# Altium PCB main.PcbDoc (part 1 of 3)
Units mil, origin at the board's own origin, x right, y up, seen from the top; angles counter-clockwise.
Board outline 4925 x 4925 mil, 2 copper layers (Top Layer, Bottom Layer); 278 components, 209 nets, 834 pads, 219 vias.
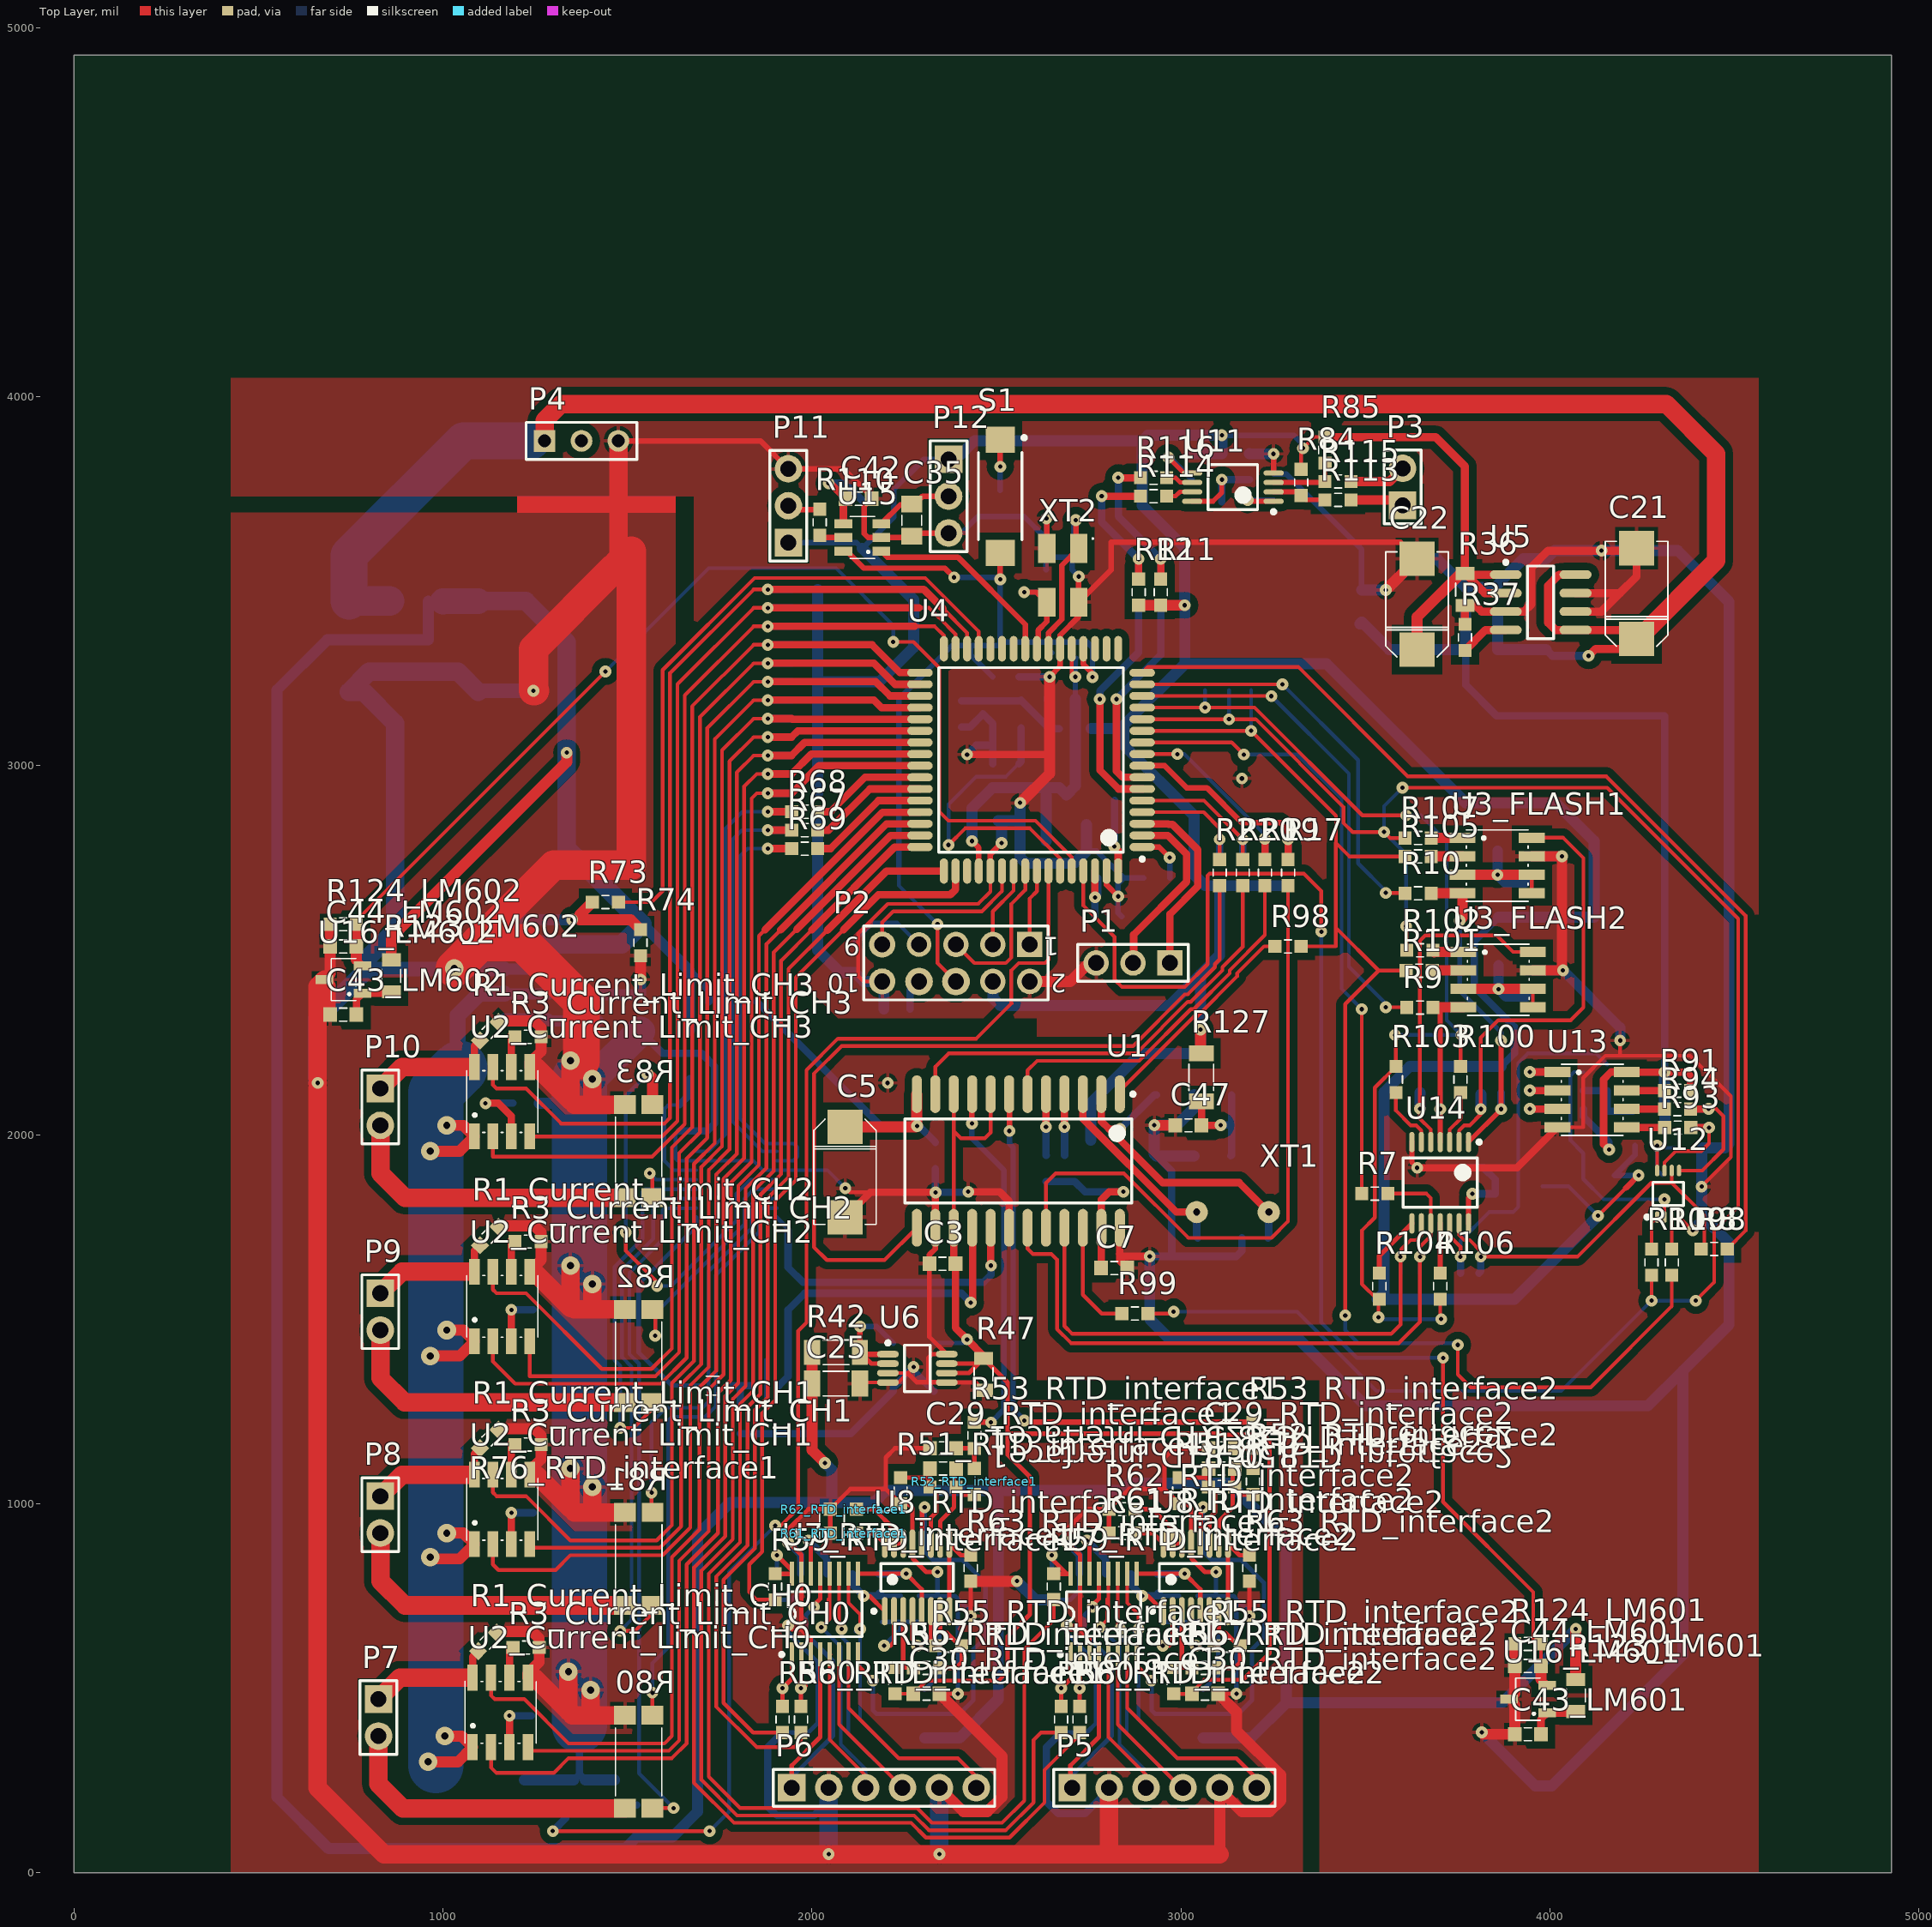
[diagram p0: Top Layer view]
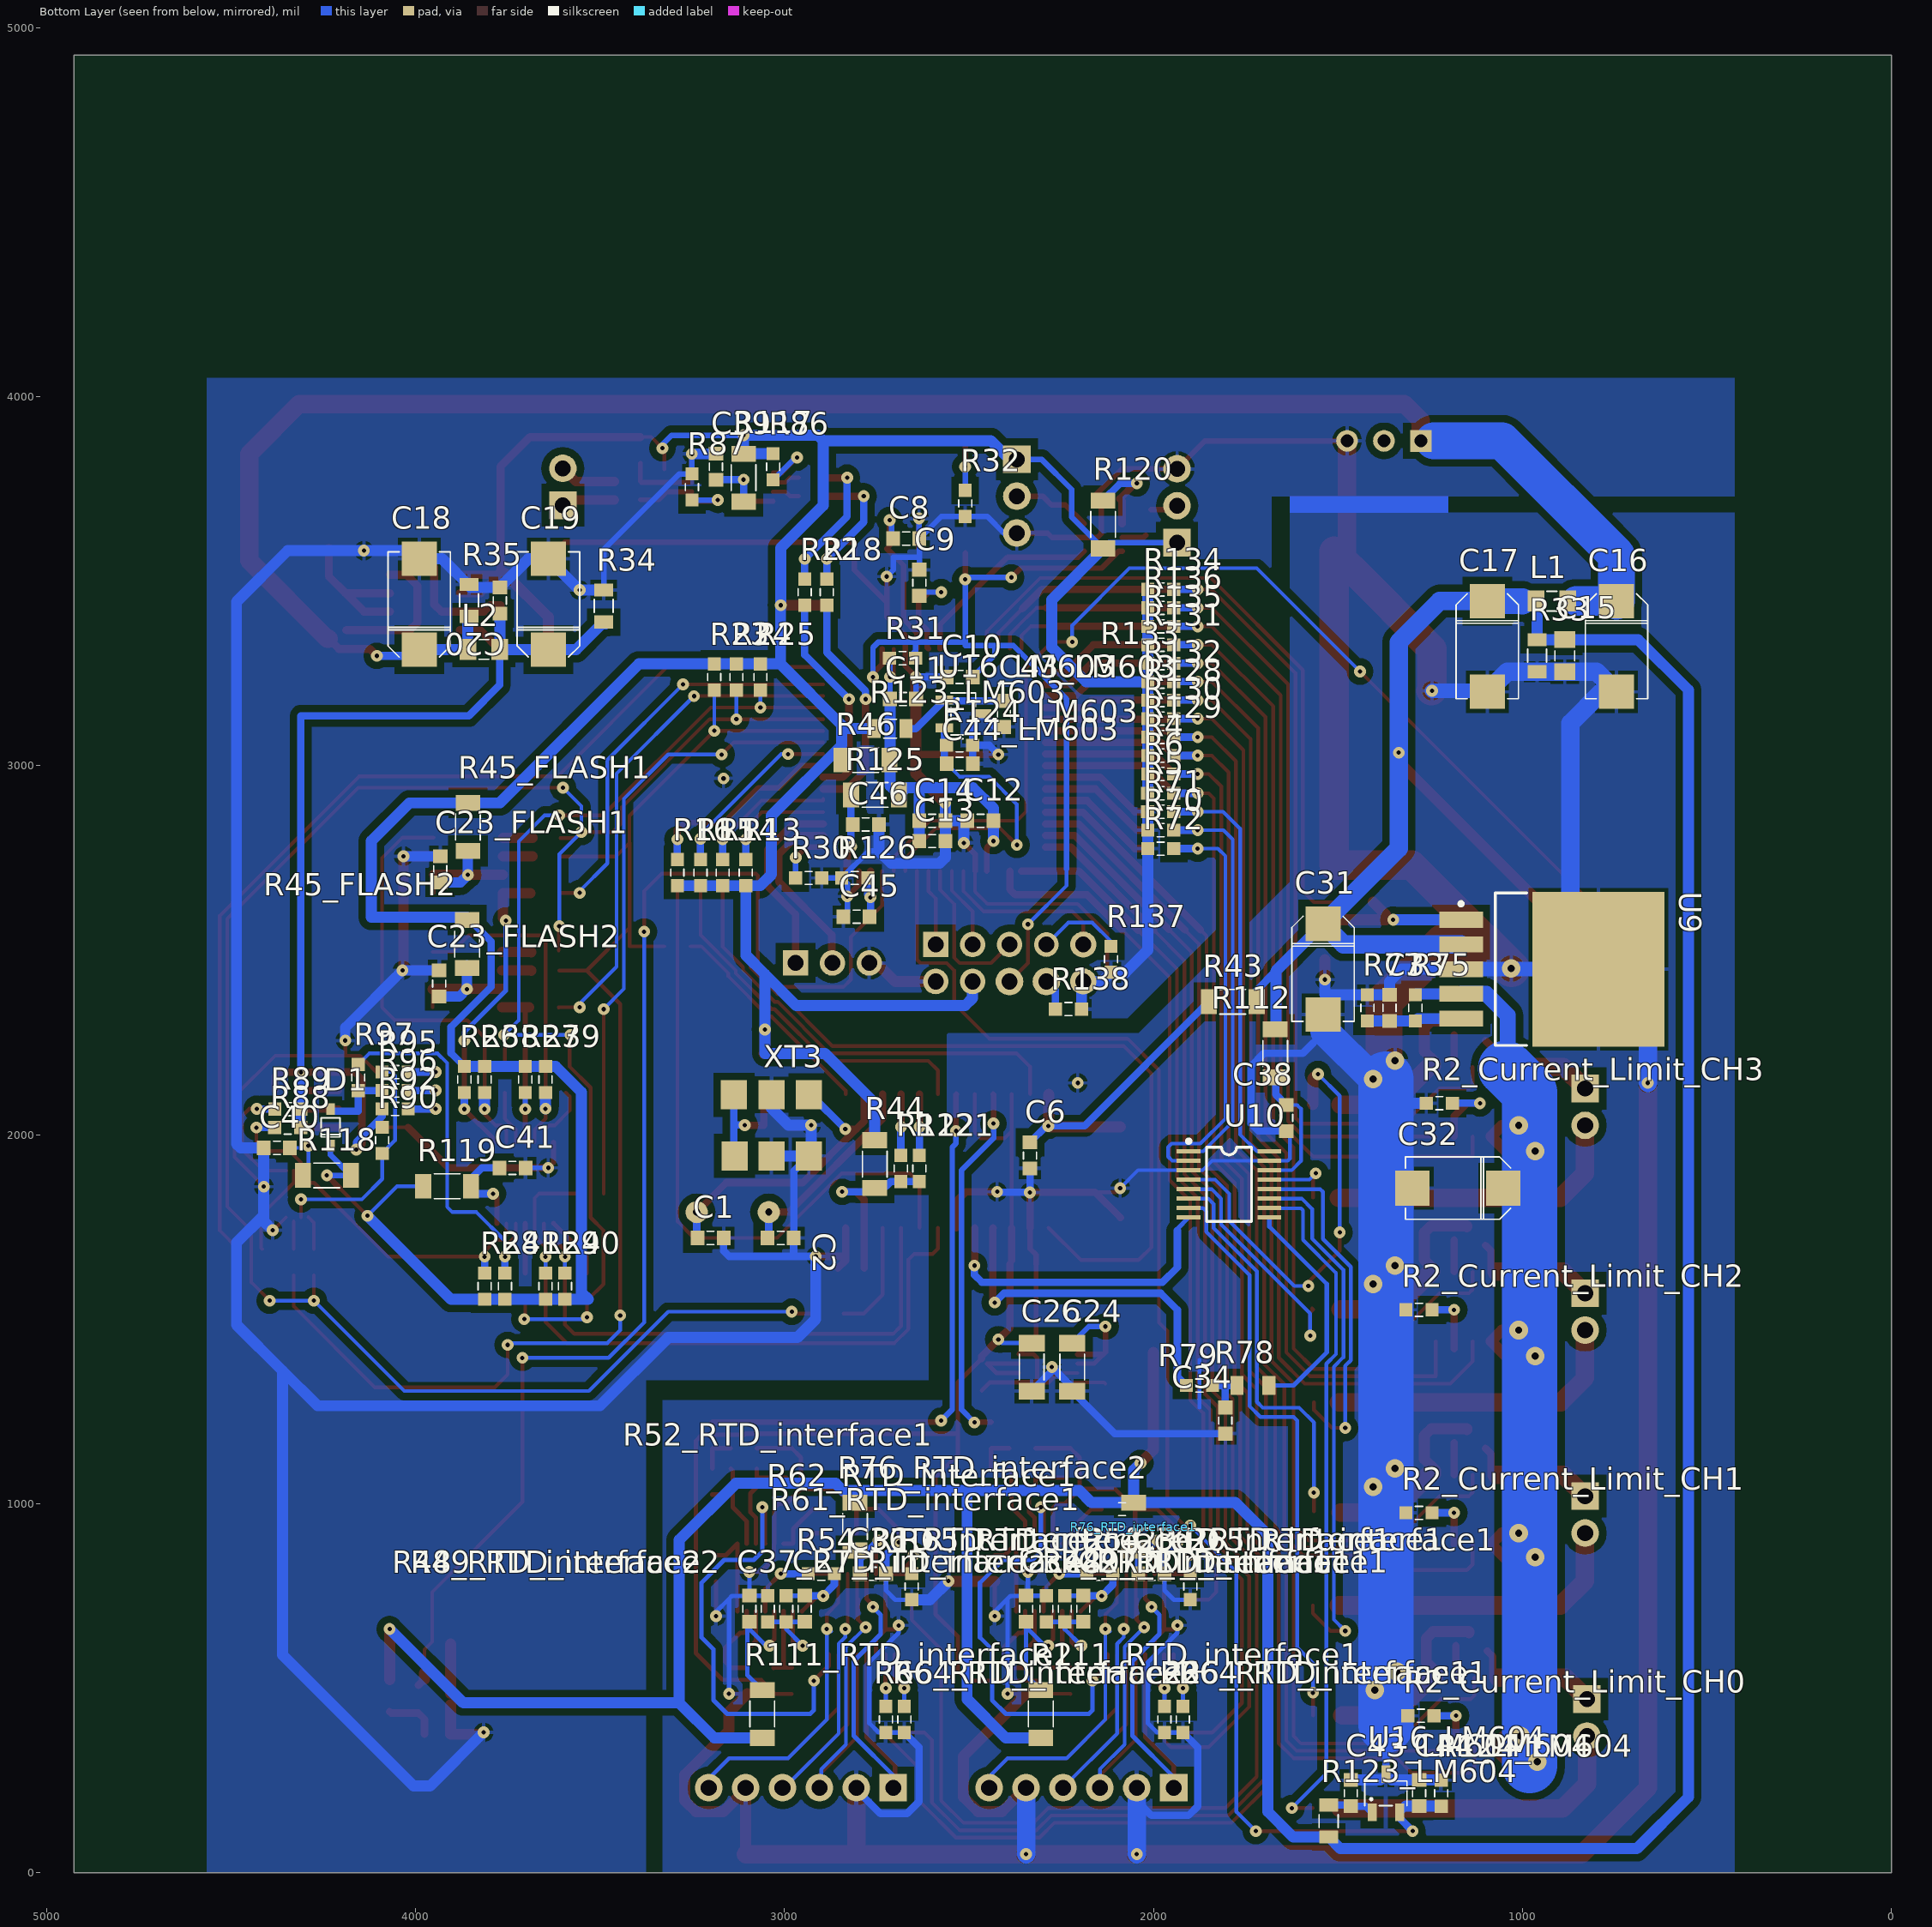
[diagram p1: Bottom Layer view, seen from below]
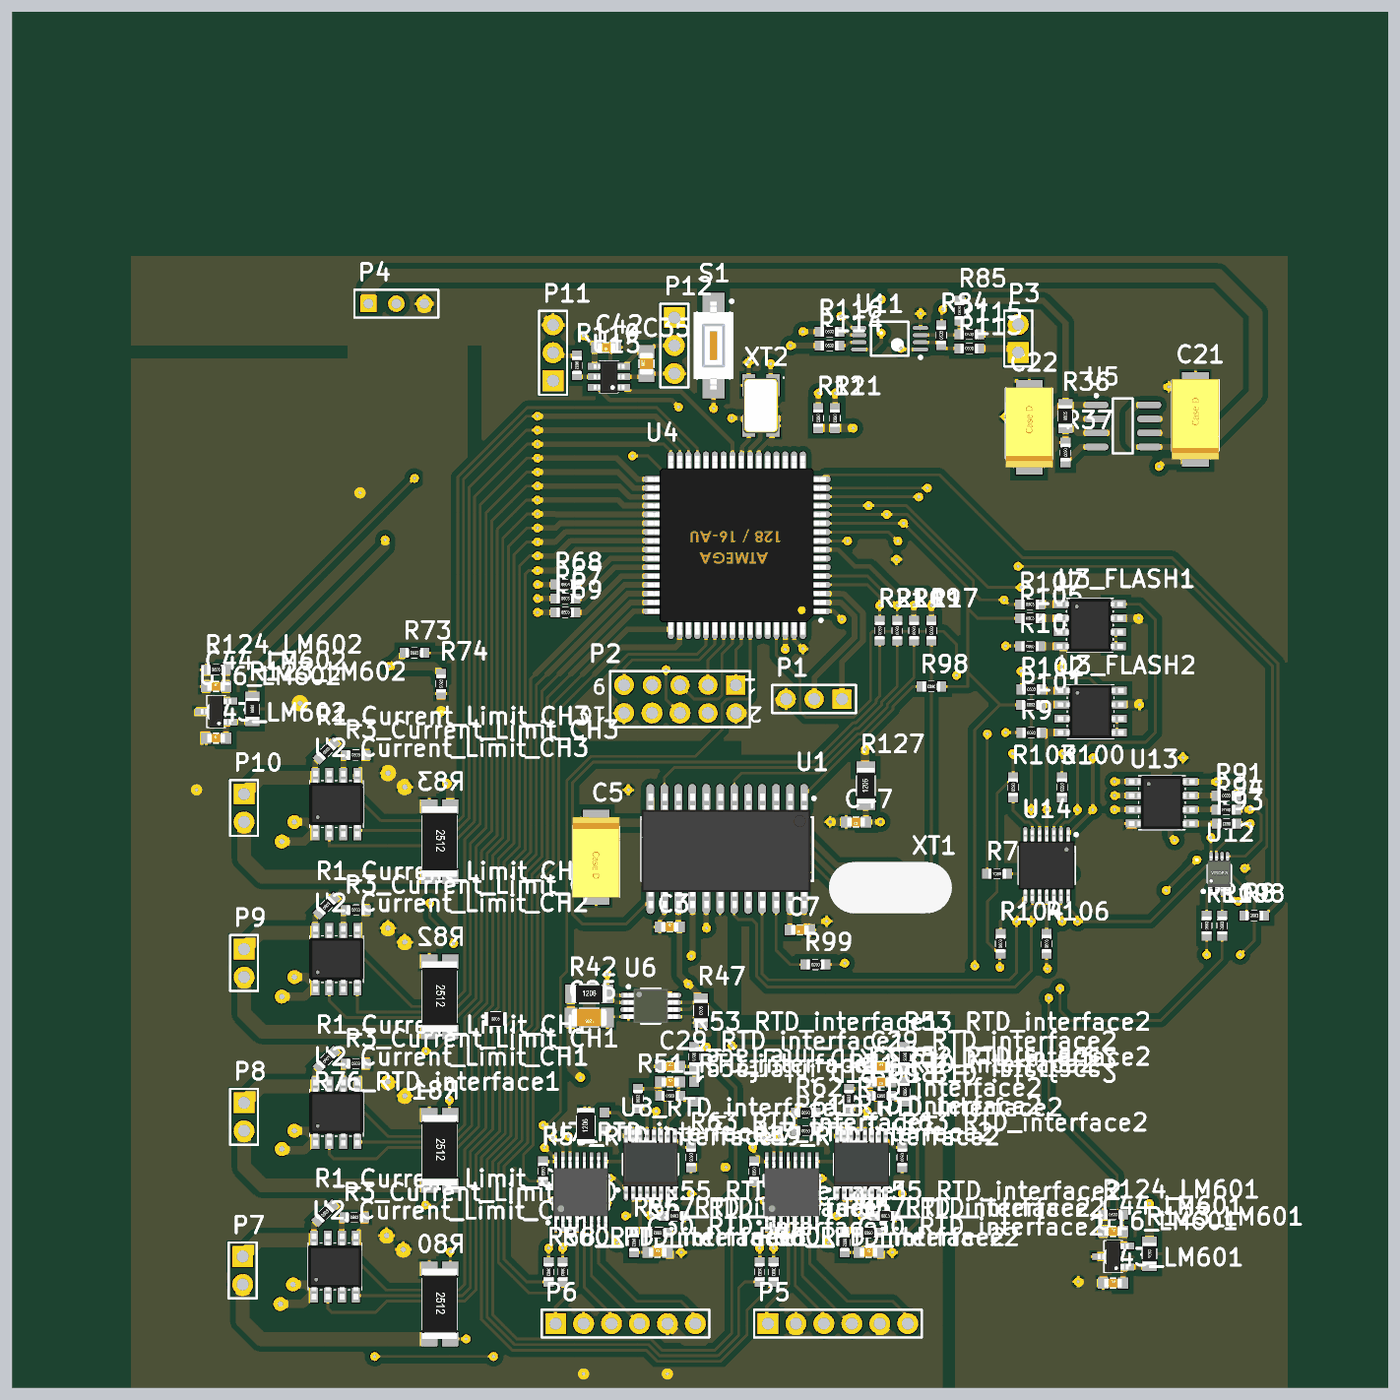
[diagram p4: 3D render of the assembled board from above, using the file's embedded part models]
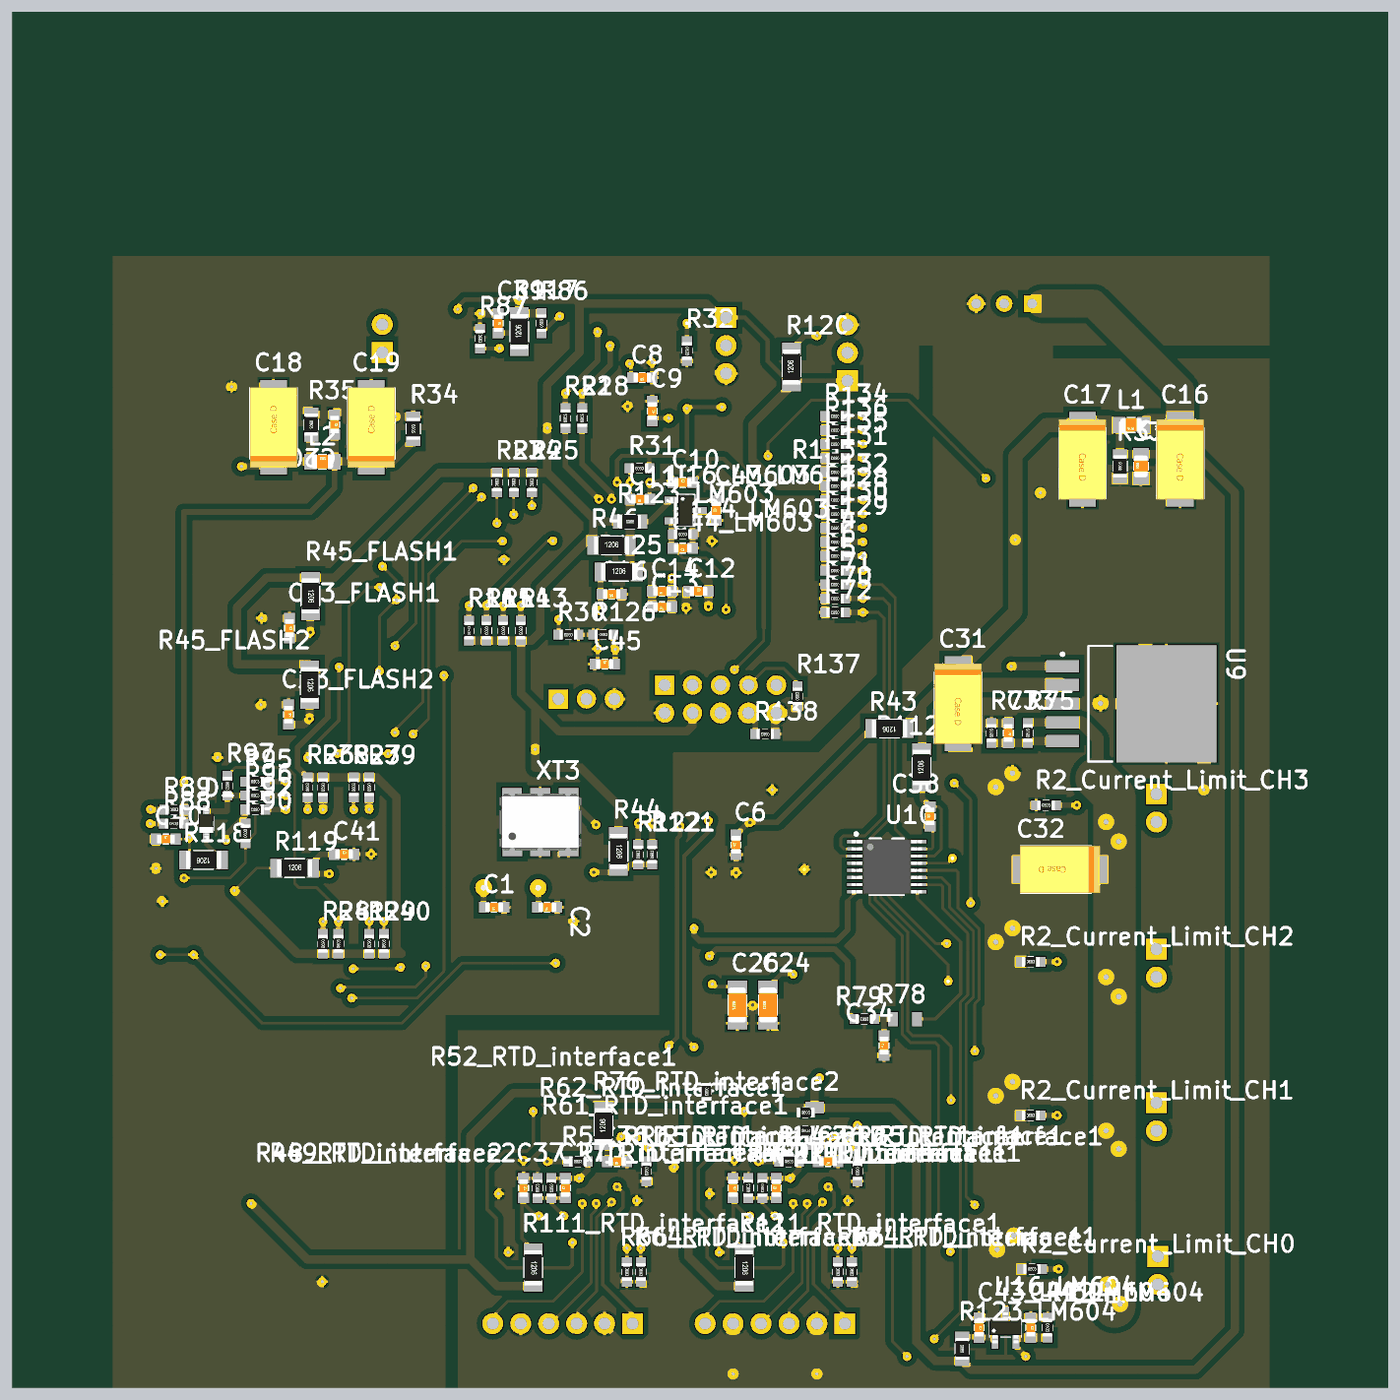
[diagram p5: 3D render of the assembled board from below, using the file's embedded part models]

## Layer stack, top to bottom
Top Solder: solder mask 0.4, Solder Resist, Dk 3.5
Top Layer: signal copper 1.4
Dielectric 1: dielectric 12.6, FR-4, Dk 4.8
Bottom Layer: signal copper 1.4
Bottom Solder: solder mask 0.4, Solder Resist, Dk 3.5

## Board outline
0,0 0,4925 4925,4925 4925,0

## Design rules (kind name [scope] priority, off if disabled: settings)
Clearance Clearance_1 [All] p1: gap=10 except(7: SMDPad-SMDPad; 20: Arc-Poly Track-Poly SMDPad-Poly THPad-Poly Via-Poly Fill-Poly Poly-Poly)
Clearance [InComponent('U12')] p2: gap=7
PolygonConnect [All] p1: connectstyle=Relief reliefconductorwidth=10 reliefentries=4 polygonreliefangle="90 Angle" airgapwidth=10
RoomDefinition LM603 [InComponentClass('LM603')] p1: confinementstyle=ConfineIn formatcopy=TRUE lockcomponents=FALSE outline 2345,3275 2815,3275 2815,2955 2345,2955
RoomDefinition LM604 [InComponentClass('LM604')] p2: confinementstyle=ConfineIn formatcopy=TRUE lockcomponents=FALSE outline 1505,40.43 1180,40.43 1180,305.43 1505,305.43
RoomDefinition ADC [InComponentClass('ADC')] p3: confinementstyle=ConfineIn formatcopy=TRUE lockcomponents=FALSE outline 3380,2397.68 1993.98,2397.68 1993.98,1613.46 3380,1613.46
RoomDefinition Solar_interface [InComponentClass('Solar_interface')] p4: confinementstyle=ConfineIn formatcopy=TRUE lockcomponents=FALSE outline 430,125 2930,125 2930,3140 430,3140
RoomDefinition "Solar Panels" [InComponentClass('Solar Panels')] p5: confinementstyle=ConfineIn formatcopy=TRUE lockcomponents=FALSE outline 920,25 920,2410 645,2410 645,25
RoomDefinition Current_Limit_CH3 [InComponentClass('Current_Limit_CH3')] p6: confinementstyle=ConfineIn formatcopy=TRUE lockcomponents=FALSE outline 745,1700 1620,1700 1620,2369.84 745,2369.84
RoomDefinition Current_Limit_CH2 [InComponentClass('Current_Limit_CH2')] p7: confinementstyle=ConfineIn formatcopy=TRUE lockcomponents=FALSE outline 745,1145.16 1620,1145.16 1620,1815 745,1815
RoomDefinition Current_Limit_CH1 [InComponentClass('Current_Limit_CH1')] p8: confinementstyle=ConfineIn formatcopy=TRUE lockcomponents=FALSE outline 745,595.16 1620,595.16 1620,1265 745,1265
RoomDefinition FLASH2 [InComponentClass('FLASH2')] p9: confinementstyle=ConfineIn formatcopy=TRUE lockcomponents=FALSE outline 3555.59,2224.41 4105.59,2224.41 4105.59,2629.41 3555.59,2629.41
RoomDefinition LM602 [InComponentClass('LM602')] p10: confinementstyle=ConfineIn formatcopy=TRUE lockcomponents=FALSE outline 904.57,2285 904.57,2610 639.57,2610 639.57,2285
RoomDefinition LM601 [InComponentClass('LM601')] p11: confinementstyle=ConfineIn formatcopy=TRUE lockcomponents=FALSE outline 4115,335 4115,660 3850,660 3850,335
RoomDefinition RTD_interface1 [InComponentClass('RTD_interface1')] p12: confinementstyle=ConfineIn formatcopy=TRUE lockcomponents=FALSE outline 1870,1270 1870,110 2530,110 2530,1270
RoomDefinition Current_Limit_CH0 [InComponentClass('Current_Limit_CH0')] p13: confinementstyle=ConfineIn formatcopy=TRUE lockcomponents=FALSE outline 740,45.16 1615,45.16 1615,715 740,715
RoomDefinition Watchdog [InComponentClass('Watchdog')] p14: confinementstyle=ConfineIn formatcopy=TRUE lockcomponents=FALSE outline 2426.37,3888.28 1876.37,3888.28 1876.37,3453.28 2426.37,3453.28
RoomDefinition SunS_Decoupler [InComponentClass('SunS_Decoupler')] p15: confinementstyle=ConfineIn formatcopy=TRUE lockcomponents=FALSE outline 2855.43,3675 3490.43,3675 3490.43,3920 2855.43,3920
RoomDefinition "SPI buffer" [InComponentClass('SPI buffer')] p16: confinementstyle=ConfineIn formatcopy=TRUE lockcomponents=FALSE outline 3465,2990 3465,1184.21 4490,1184.21 4490,2990
RoomDefinition Satellite_interface [InComponentClass('Satellite_interface')] p17: confinementstyle=ConfineIn formatcopy=TRUE lockcomponents=FALSE outline 515.43,3675 515.43,3100 1630,3100 1630,3675
RoomDefinition RTD_interface2 [InComponentClass('RTD_interface2')] p18: confinementstyle=ConfineIn formatcopy=TRUE lockcomponents=FALSE outline 2545,1270 2545,110 3325,110 3325,1270
RoomDefinition "Power distribution & filters" [InComponentClass('Power distribution & filters')] p19: confinementstyle=ConfineIn formatcopy=TRUE lockcomponents=FALSE outline 740,3032.17 1670,3032.17 1670,3988.31 740,3988.31
RoomDefinition MCU [InComponentClass('MCU')] p20: confinementstyle=ConfineIn formatcopy=TRUE lockcomponents=FALSE outline 3364.56,3970 1894.56,3970 1894.56,2280 3364.56,2280
RoomDefinition FRAM [InComponentClass('FRAM')] p21: confinementstyle=ConfineIn formatcopy=TRUE lockcomponents=FALSE outline 3920,1528.98 4480,1528.98 4480,2294.57 3920,2294.57
RoomDefinition FLASH1 [InComponentClass('FLASH1')] p22: confinementstyle=ConfineIn formatcopy=TRUE lockcomponents=FALSE outline 3552.68,2629.41 4102.68,2629.41 4102.68,2938.82 3552.68,2938.82
RoomDefinition 2.5V-ref [InComponentClass('2.5V-ref')] p23: confinementstyle=ConfineIn formatcopy=TRUE lockcomponents=FALSE outline 1955,1270 2500.04,1270 2500.04,1529.96 1955,1529.96
RoutingVias [All] p1: holewidth=11.81 width=32 viastyle="Through Hole" minholewidth=11.81 minwidth=32 maxholewidth=39.37 maxwidth=50
SolderMaskExpansion [All] p1: expansion=4
Width [All] p1: maxlimit=300 minlimit=10 preferedwidth=15 minimp=50.000000 maximp=50.000000 favimp=50.000000
30 further rules are at their usual default settings.
